# Altium PCB Ethernet2Mil_Adapter_Dual.PcbDoc (part 3 of 5)
Units mil, origin at the board's own origin, x right, y up, seen from the top; angles counter-clockwise.
Board outline 6000 x 4000 mil, 2 copper layers (Top Layer, Bottom Layer); 318 components, 359 nets, 3384 pads, 22 vias.
Unrouted connection lines stored in the file: 800.
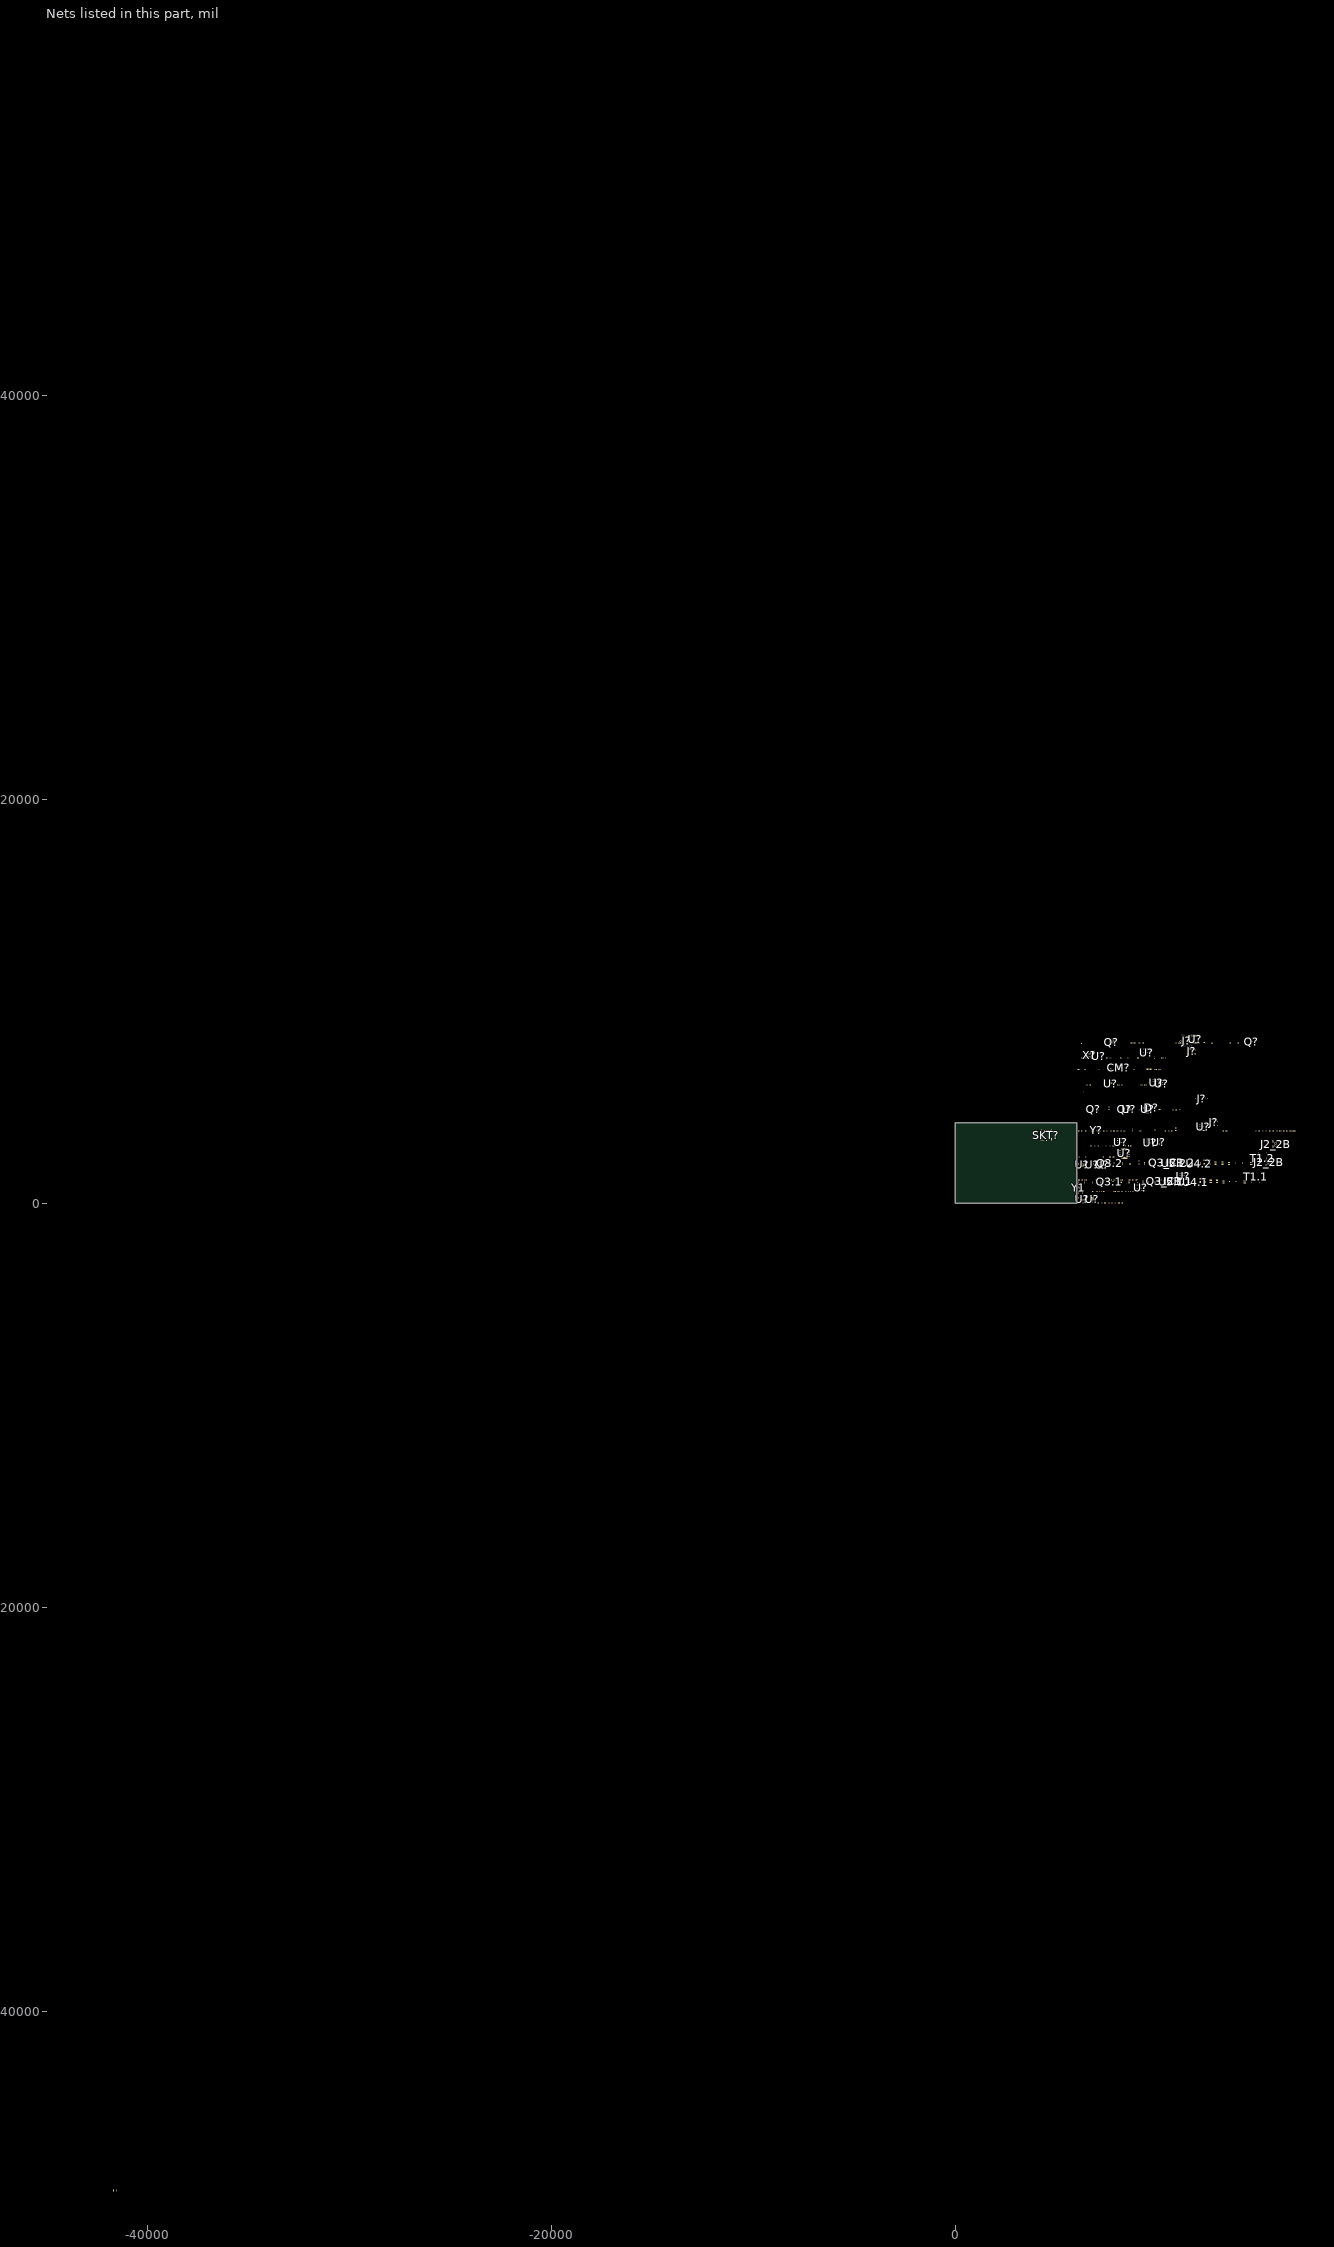
[diagram p3: the nets of this part, all layers, seen from the top]

## Via types
v1: diameter 19.68, hole 7.87, Top Layer to Bottom Layer, 12 vias
v2: diameter 23.62, hole 9.84, Top Layer to Bottom Layer, 9 vias
v3: diameter 177.17, hole 118.11, Top Layer to Bottom Layer, 1 vias

## Nets (pads, with @x,y where several pads share a name; then routed paths per layer and width w, separated by ;. In a path a pad name is that pad's centre, name@x,y a point inside that pad or via, vN(x,y) a via of type N, cw(c..) or ccw(c..) an arc to the next point about the centre after c; other vN are vias at no path point) (continued)
Eth_TXD_0: R?.1@6422.28,7195
Eth_TXD_1: R?.1@7727.28,20
Eth_TXD_2: R?.1@6252.28,2290
Eth_TXD_3: R?.1@7407.28,4610
Eth_TXD_PHY_0: R?.2@6457.72,7195 U?.18@10104.37,2939.53
Eth_TXD_PHY_1: R?.2@7762.72,20 U?.17@10088.62,2939.53
Eth_TXD_PHY_2: R?.2@6287.72,2290 U?.16@10072.87,2939.53
Eth_TXD_PHY_3: R?.2@7442.72,4610 U?.15@10057.13,2939.53
F_CFG_BVS_0: R?.1@7794.41,2845 U?.V11@9479.68,7307.52
F_JTAG_TCK_$1: D?.29 J?.4@12225,5190 R?.1@8160.39,7195
F_JTAG_TDI_$1: D?.56 J?.2@12025,5190 R?.1@8540.39,5850
F_JTAG_TDO_$1: D?.47 J?.3@12125,5190 R?.1@9130.39,3580
F_JTAG_TMS_$1: D?.110 J?.5@12325,5190 R?.1@11100.39,4640
F_VCCADC: C?.1@9182.44,5865 C?.2@8207.72,3580 L?.2@6838.31,3590 U?.C13@9792.2,6034.06
FTDI_OSCI: C?.1@7329.25,3585 U?.2@8136.56,2597.95 X?.1
FTDI_OSCO: C?.1@8224.25,585 U?.3@8136.56,2578.27 X?.3
GND: C31.2 C36.2 C43.2 C45.2 C59.1.1 C59.2.1 C60.1.1 C60.2.1 C61.1.1 C61.2.1 C64_2B.1 C?.1@6075.39,585 C?.1@6087.28,3585 C?.1@6242.44,3580 C?.1@6269.65,600 C?.1@6432.28,3585 C?.1@6960.39,1150 C?.1@7147.28,1150 C?.1@7294.65,6645 C?.1@7319.65,585 C?.1@7485.39,3580 C?.1@7486.54,1155 C?.1@7559.57,25 C?.1@7640.39,6645 C?.1@7657.44,3585 C?.1@7662.44,1155 C?.1@7802.44,7205 C?.1@7840.39,1150 C?.1@8000.39,3585 C?.1@8017.44,1150 C?.1@8034.41,585 C?.1@8172.28,3580 C?.1@8340.39,3585 C?.1@8400.39,585 C?.1@8425.12,2855 C?.1@8500.39,7195 C?.1@8582.44,1165 C?.1@8694.65,7205 C?.1@8860.39,7205 C?.1@9007.44,7195 C?.1@9080.39,7930 C?.1@9247.44,7930 C?.1@9267.44,1150 C?.1@9332.44,2845 C?.1@9459.92,1150 C?.1@9632.44,1150 C?.1@9879.57,6630 C?.1@9880,3637.44 C?.1@10047.44,7205 C?.1@10070.39,4645 C?.1@10193.58,7195 C?.1@10697.44,1150 C?.1@11044.57,7925 C?.1@12055.39,7925 C?.1@12264.41,7955 C?.1@12494.25,7955 C?.1@12659.57,7925 C?.1@13579.25,7940 C?.1@16555.39,3585 C?.1@16713.58,3585 C?.1@-43385,56707.28 C?.2@6142.56,1165 C?.2@6272.72,7195 C?.2@6292.72,1155 C?.2@6480.04,1155 C?.2@6522.56,5865 C?.2@6632.72,1150 C?.2@6667.72,600 C?.2@6697.72,5860 C?.2@6817.72,1150 C?.2@7040.04,600 C?.2@7188.64,3580 C?.2@7210.04,600 C?.2@7257.72,4635 C?.2@7360.75,3585 C?.2@7395.04,1165 C?.2@7732.72,600 C?.2@7822.72,4635 C?.2@7873.64,3580 C?.2@8255.75,585 C?.2@8257.72,5860 C?.2@8265.04,1150 C?.2@8387.72,7205 C?.2@8564.88,2855 C?.2@8645.04,585 C?.2@8682.72,2845 C?.2@8787.72,1155 C?.2@8957.72,1155 C?.2@9217.56,2855 C?.2@9237.56,5865 C?.2@9425.04,5860 C?.2@10212.56,1155 C?.2@10395.04,1150 C?.2@10557.72,1150 C?.2@10927.72,1150 C?.2@11612.72,1165 C?.2@11772.72,1150 C?.2@15577.72,3585 C?.2@15747.72,3585 C?.2@15923.64,3585 C?.2@16252.72,3580 C?.2@16437.56,3585 C?.2@-41499.37,-48850 D6.1.2 D6.2.2 D7.1.2 D7.2.2 D?.2@8858.74,7935 D?.38 D?.K@6144.69,2295 D?.K@9310,4724.69 IC1.1.3 IC1.2.3 J?.1@11925,5190 J?.10 J?.A1@12681.73,4144.41 J?.A12@12898.27,4144.41 J?.B1@12900.24,4096.77 J?.B12@12679.76,4096.77 J?.SH Q3.1.2 Q3.2.2 Q3_2B.5 Q?.2@6804.17,4617.6 Q?.2@14620.63,7972.6 R41_2B.1 R43.1.1 R43.2.1 R43_1B.2 R47.1.1 R47.2.1 R?.1@6069.41,6630 R?.1@6420.31,2290 R?.1@6710.31,7925 R?.1@7800.32,6640 R?.1@8069.41,25 R?.1@8362.28,5845 R?.1@8772.28,585 R?.1@9710.32,5850 R?.1@10172.28,7920 R?.1@10357.28,7920 R?.1@10525.32,3580 R?.1@10695.32,3580 R?.1@10900,3605.94 R?.1@11047.28,3575 R?.1@13389.41,3580 R?.1@13748.27,3575 R?.2@9539.69,3575 R?.2@10900,3724.06 SKT?.6 SKT?.11 SKT?.12 SKT?.13 SKT?.14 U4.1.2 U4.1.4 U4.2.2 U4.2.4 U5.1.6 U5.1.13 U5.2.6 U5.2.13 U?.1@8136.56,2617.64 U?.2@6231.85,1914.84 U?.2@7685.16,5871.85 U?.2@8546.85,4679.84 U?.3@6231.85,1895.16 U?.3@6692.29,1892.2 U?.3@7704.84,5871.85 U?.3@8546.85,4660.16 U?.5@7192.52,7205 U?.5@8136.56,2538.9 U?.9@12050,8306.3 U?.10@8136.56,2440.47 U?.11@8136.56,2420.79 U?.13@8136.56,2381.42 U?.15@8136.56,2342.05 U?.15@11750,8306.3 U?.19@6824.21,286.77 U?.22@6765.16,286.77 U?.25@6775,210 U?.25@8369.84,2246.56 U?.35@8583.44,2361.73 U?.41@10065,3035 U?.47 U?.51 U?.A1@8007.83,3212.17 U?.A3@8047.2,3212.17 U?.A4@9526.89,3187.17 U?.A5@8086.57,3212.17 U?.A6@9566.26,3187.17 U?.A7@8125.94,3212.17 U?.A9@8165.31,3212.17 U?.A11@9479.68,7642.17 U?.A12@9499.37,7642.17 U?.A13@9519.06,7642.17 U?.A19@8362.17,3212.17 U?.B1@7087.83,2062.48 U?.B3@8047.2,3192.48 U?.B4@9526.89,3167.48 U?.B5@8086.57,3192.48 U?.B6@9566.26,3167.48 U?.B7@8125.94,3192.48 U?.B9@8165.31,3192.48 U?.B11@9479.68,7622.48 U?.B12@9499.37,7622.48 U?.B13@9519.06,7622.48 U?.B14@8263.74,3192.48 U?.C1@7087.83,2042.8 U?.C2@8027.52,3172.8 U?.C3@8047.2,3172.8 U?.C4@8066.89,3172.8 U?.C5@7166.57,2042.8 U?.C6@8106.26,3172.8 U?.C7@9585.94,3147.8 U?.C10@8185,3172.8 U?.C12@8224.37,3172.8 U?.C19@8362.17,3172.8 U?.D1@6211.18,224.76 U?.D3@8047.2,3153.11 U?.E1@7087.83,2003.43 U?.E2@7107.52,2003.43 U?.E3@8047.2,3133.43 U?.E6 U?.E17@8322.8,3133.43 U?.F1@8007.83,3113.74 U?.F2@8027.52,3113.74 U?.F3@7127.2,1983.74 U?.F19@8362.17,3113.74 U?.G1@8007.83,3094.06 U?.G7@7205.94,1964.06 U?.G8@8145.63,3094.06 U?.G9@7245.31,1964.06 U?.G11@8204.68,3094.06 U?.H7@8125.94,3074.37 U?.H8@8145.63,3074.37 U?.H9@7245.31,1944.37 U?.H11@8204.68,3074.37 U?.H12@8224.37,3074.37 U?.H18@8342.48,3074.37 U?.J8@8145.63,3054.69 U?.J9@8165.31,3054.69 U?.J11@8204.68,3054.69 U?.J12@8224.37,3054.69 U?.K8@8145.63,3035 U?.L8@8145.63,3015.32 U?.L9@8165.31,3015.32 U?.L11@8204.68,3015.32 U?.L19@8362.17,3015.32 U?.M9@8165.31,2995.63 U?.M13@8244.06,2995.63 U?.N9@8165.31,2975.94 U?.N12@8224.37,2975.94 U?.N13@8244.06,2975.94 U?.P2@8027.52,2956.26 U?.T19@8362.17,2916.89 U?.U6@8106.26,2897.2 U?.U9@8165.31,2897.2 U?.V18@8342.48,2877.52 U?.W1@8007.83,2857.83 U?.W12@8224.37,2857.83 X?.2 X?.4 Y1.2 Y?.2
  other v1: 10675.32,1035.63 10714.69,1035.63 10675.32,1075 10714.69,1075 10675.32,1114.37 10714.69,1114.37 10795.32,1945.63 10834.69,1945.63 10795.32,1985 10834.69,1985 10795.32,2024.37 10834.69,2024.37
  other v2: 10021.69,2991.69 10065,2991.69 10108.31,2991.69 10021.69,3035 10065,3035 10108.31,3035 10021.69,3078.31 10065,3078.31 10108.31,3078.31
MIL_1553_1A_RX: R53.2 U?.R3@9387.2,4551.57
MIL_1553_1A_TX_N: R?.1@9320.24,3575 U?.T2@9367.52,4531.89
MIL_1553_1A_TX_P: R?.1@9535.24,5845 U?.R2@9367.52,4551.57
MIL_1553_1B_RX: R?.2@8949.76,7920 U?.V2@9367.52,4492.52
MIL_1553_1B_TX_N: R?.1@7990.24,7200 U?.U1@9347.83,4512.2
MIL_1553_1B_TX_P: R?.1@13935.24,3575 U?.T1@9347.83,4531.89
MIL_1553_2A_TX_P: U?.U3@9387.2,4512.2
MIL_1553_3.3V: C61.1.2 C61.2.2 R39_1B.2 U4.1.5 U4.2.5 U5.1.5 U5.2.5
NetC?_2: C?.2@12315.59,7955 U?.24@6725.79,286.77
NetD8.1_1: D8.1.1 R41.1.2
NetD8.2_1: D8.2.1 R41.2.2
NetD9.1_1: D9.1.1 R38_1B.2@7795,1084.53
NetD9.2_1: D9.2.1 R38_1B.2@7855,1994.53
NetD?_A: D?.A@9310,4685.31 R?.1@6687.28,2845
NetD?_K: D?.K@14009.69,7940 R?.2@7892.72,5845
NetDS?_2: DS?.2 R?.1@7615.47,2290
NetJ2_2B_3: J2_2B.3@15711,2808
NetJ2_2B_4: J2_2B.4@15711,3066
NetJ2_2B_5: J2_2B.5@15969,2808
NetJ2_2B_6: J2_2B.6@15629,2156
NetJ?_1: J?.1@11680.2,7785
NetJ?_A2: J?.A2@11591.42,7644.41
NetJ?_A3: J?.A3@11611.1,7644.41
NetJ?_A5: J?.A5@11650.47,7644.41 R?.2@7197.72,5850
NetJ?_A8: J?.A8@11709.53,7644.41
NetJ?_A10: J?.A10@11748.9,7644.41
NetJ?_A11: J?.A11@11768.58,7644.41
NetJ?_B2: J?.B2@11774.49,7569.21
NetJ?_B3: J?.B3@11742.99,7569.21
NetJ?_B5: J?.B5@11711.5,7569.21 R?.2@10047.72,3575
NetJ?_B8: J?.B8@11648.5,7569.21
NetJ?_B10: J?.B10@11617.01,7569.21
NetJ?_B11: J?.B11@11585.51,7569.21
NetM?_1: 
NetQ?_3: Q?.3@6875.83,4655 R?.2@7674.53,2290
NetR?_1: R?.1@9500.32,3575 U?.1@6698.23,259.21
NetR?_2: R?.2@8589.61,5850 U?.16@8136.56,2322.36
NetT1.1_4: T1.1.4
NetT1.2_4: T1.2.4
NetTP?_1: TP?.1@7055,7950
NetU5.1_4: U5.1.4
NetU5.1_8: U5.1.8
NetU5.1_9: U5.1.9
NetU5.2_4: U5.2.4
NetU5.2_8: U5.2.8
NetU5.2_9: U5.2.9
NetU?_2: U?.2@6692.29,1917.8
NetU?_4: U?.4@6692.29,1866.61
NetU?_5: U?.5@6857.71,1866.61
NetU?_6: U?.6@7192.52,7255
NetU?_7: U?.7@7192.52,7305
NetU?_8: U?.8@8136.56,2479.84
NetU?_20: U?.20@6804.53,286.77
NetU?_21: U?.21@8291.1,2246.56
NetU?_22: U?.22@8310.79,2246.56
NetU?_23: U?.23@8330.47,2246.56
NetU?_24: U?.24@8350.16,2246.56
NetU?_26: U?.26@8389.53,2246.56
NetU?_27: U?.27@8409.21,2246.56
NetU?_28: U?.28@8428.9,2246.56
NetU?_29: U?.29@8448.58,2246.56
NetU?_30: U?.30@8468.27,2246.56
NetU?_32: U?.32@8507.64,2246.56
NetU?_33: U?.33@8583.44,2322.36
NetU?_34: U?.34@8583.44,2342.05
NetU?_36: U?.36@8583.44,2381.42
NetU?_38: U?.38@8583.44,2420.79
NetU?_39: U?.39@8583.44,2440.47
NetU?_40: U?.40@8583.44,2460.16
NetU?_41: U?.41@8583.44,2479.84
NetU?_43: U?.43
NetU?_44: U?.44
NetU?_45: U?.45
NetU?_46: U?.46
NetU?_48: U?.48
NetU?_52: U?.52
NetU?_53: U?.53
NetU?_54: U?.54
NetU?_55: U?.55
NetU?_57: U?.57
NetU?_58: U?.58
NetU?_59: U?.59
NetU?_60: U?.60
NetU?_A2: U?.A2@9487.52,3187.17
NetU?_A3: U?.A3@6270.24,313.35
NetU?_A8: U?.A8@9605.63,3187.17
NetU?_A10: U?.A10@9645,3187.17
NetU?_A14: U?.A14@11353.74,1517.17
NetU?_A15: U?.A15@11373.43,1517.17
NetU?_A18: U?.A18@11432.48,1517.17
NetU?_B2: U?.B2@9487.52,3167.48
NetU?_B8: U?.B8@9605.63,3167.48
NetU?_B10: U?.B10@9645,3167.48
NetU?_B18: U?.B18@11432.48,1497.48
NetU?_C3: U?.C3@6270.24,254.29
NetU?_C8: U?.C8@9420.63,7602.8
NetU?_D1: U?.D1@9467.83,3128.11
NetU?_D2: U?.D2@9487.52,3128.11
NetU?_D17: U?.D17@9297.8,893.11
NetU?_D18: U?.D18@9317.48,893.11
NetU?_G2: U?.G2@12195.94,3627.52
NetU?_G3: U?.G3@12195.94,3647.2
NetU?_G17: U?.G17@9297.8,834.06
NetU?_H1: U?.H1@12215.63,3607.83
NetU?_H2: U?.H2@12215.63,3627.52
NetU?_H17: U?.H17@9297.8,814.37
NetU?_J1: U?.J1@12235.31,3607.83
NetU?_J2: U?.J2@12235.31,3627.52
NetU?_J3: U?.J3@12235.31,3647.2
NetU?_J17: U?.J17@9297.8,794.69
NetU?_K2: U?.K2@12255,3627.52
NetU?_K3: U?.K3@12255,3647.2
NetU?_K17: U?.K17@9297.8,775
NetU?_L1: U?.L1@12274.68,3607.83
NetU?_L2: U?.L2@12274.68,3627.52
NetU?_L3: U?.L3@12274.68,3647.2
NetU?_M1: U?.M1@12294.37,3607.83
NetU?_M2: U?.M2@12294.37,3627.52
NetU?_M3: U?.M3@12294.37,3647.2
NetU?_M19: U?.M19@9337.17,735.63
NetU?_N1: U?.N1@12314.06,3607.83
NetU?_N2: U?.N2@12314.06,3627.52
NetU?_N3: U?.N3@12314.06,3647.2
NetU?_N17: U?.N17@9297.8,715.94
NetU?_P1: U?.P1@12333.74,3607.83
NetU?_P3: U?.P3@12333.74,3647.2
NetU?_P17: U?.P17@9297.8,696.26
NetU?_P18: U?.P18@9317.48,696.26
NetU?_T3: U?.T3@9387.2,4531.89
NetU?_U2: U?.U2@9367.52,4512.2
NetU?_U4: U?.U4@9406.89,4512.2
NetU?_U5: U?.U5@9426.57,4512.2
NetU?_U7: U?.U7@9465.94,4512.2
NetU?_U8: U?.U8@9485.63,4512.2
NetU?_U14: U?.U14@9238.74,637.2
NetU?_U15: U?.U15@9258.43,637.2
NetU?_U16: U?.U16@9278.11,637.2
NetU?_V3: U?.V3@9387.2,4492.52
NetU?_V4: U?.V4@9406.89,4492.52
NetU?_V5: U?.V5@9426.57,4492.52
NetU?_V8: U?.V8@9485.63,4492.52
NetU?_V13: U?.V13@9219.06,617.52
NetU?_V14: U?.V14@9238.74,617.52
NetU?_V16: U?.V16@9278.11,617.52
NetU?_V17: U?.V17@9297.8,617.52
NetU?_W2: U?.W2@9367.52,4472.83
NetU?_W4: U?.W4@9406.89,4472.83
NetU?_W5: U?.W5@9426.57,4472.83
NetU?_W6: U?.W6@9446.26,4472.83
NetU?_W7: U?.W7@9465.94,4472.83
NetU?_W8: U?.W8@9420.63,7287.83
NetU?_W9: U?.W9@9440.31,7287.83
NetU?_W10: U?.W10@9460,7287.83
NetU?_W13: U?.W13@9219.06,597.83
NetU?_W14: U?.W14@9238.74,597.83
PGM_B_0: U?.V10@9460,7307.52
PGM_DONE: R?.1@6807.28,5845 R?.2@6722.72,2845 U?.U12@9499.37,7327.2
PGM_INIT: R?.1@7379.41,20
PGM_INIT_n: R?.1@10064.41,6625 U?.U11@9479.68,7327.2
PGM_MODE_0: R11.1 R?.2@13440.59,3580 U?.V12@9499.37,7307.52
PGM_MODE_1: R?.1@7789.41,2290 R?.2@6120.59,6630 U?.W11@9479.68,7287.83
PGM_MODE_2: R13.1 R?.2@8120.59,25 U?.U10@9460,7327.2
PWR_1.0_EN: U?.8@6857.71,1943.39 U?.9@8574.41,4723.15
PWR_1.0V_FB: R?.1@9982.28,7920 R?.2@10207.72,7920 R?.2@10392.72,7920 R?.2@11169.76,7205 U?.4@7730.37,5866.38 U?.4@8541.38,4634.63
PWR_1.0V_GOOD: R?.1@14670.32,3575 U?.7@8635.43,4670
PWR_1.0V_SW: U?.8@8629.53,4712.81
PWR_1.8_EN: U?.7@6857.71,1917.8 U?.9@7641.85,5899.41
PWR_1.8V_GOOD: R?.1@14115.32,3575 U?.7@7695,5960.43
PWR_1.8V_SW: U?.8@7652.18,5954.53
PWR_3.3_EN: U?.6@6857.71,1892.2 U?.9@6259.41,1958.15
PWR_3.3V_FB: R?.1@13382.28,7925 R?.2@11082.72,3575 U?.4@6226.38,1869.63
PWR_3.3V_GOOD: Q?.1@6804.17,4692.4 R?.1@15020.32,3580 U?.7@6320.43,1905
PWR_3.3V_SW: U?.8@6314.53,1947.82
RX_EN_b.1: R43_1B.1@6395,1009.41 U5.1.2
RX_EN_b.2: R43_1B.1@6415,1919.41 U5.2.2
RX_IN.1_N: D7.1.1 R40.1.1 U5.1.10
RX_IN.1_P: D6.1.1 R32_2B.1@13890,1025.47 U5.1.11
RX_IN.2_N: D7.2.1 R40.2.1 U5.2.10
RX_IN.2_P: D6.2.1 R32_2B.1@14210,1935.47 U5.2.11
RX_OUT.1: R53.1 U5.1.1
RX_OUT.2: R?.1@8920.24,7920 U5.2.1
SDC_CDA: R?.1@7022.28,4625 SKT?.9 U?.C15@11373.43,1477.8
SDC_CDB: R?.1@8832.28,2855 SKT?.10 U?.B15@11373.43,1497.48
SDC_CLK: R?.1@9437.28,7925 SKT?.5 U?.A16@11393.11,1517.17
SDC_CMD: R?.1@6077.28,7925 SKT?.3 U?.A17@11412.8,1517.17
SDC_DAT0: R?.1@7477.28,7200 SKT?.7 U?.C16@11393.11,1477.8
SDC_DAT1: R?.1@6587.28,4605 SKT?.8 U?.B16@11393.11,1497.48
SDC_DAT2: R?.1@8237.28,20 SKT?.1 U?.C17@11412.8,1477.8
SDC_DAT3: SKT?.2 U?.B17@11412.8,1497.48
SGND: C?.1@7841.54,585 C?.1@10904.92,7935 C?.1@-41670.63,-48850 D?.2@9658.74,6640 J?.A1@11571.73,7644.41 J?.A12@11788.27,7644.41 J?.B1@11790.24,7596.77 J?.B12@11569.76,7596.77 R?.1@7162.28,5850 R?.1@10012.28,3575 U?.2@11750,7953.7 U?.8@12050,7953.7
SHEILD: J?.MH3@12952.6,4073.54 J?.MH4@12627.4,4073.54 J?.MH5@12613.23,3900.31 J?.MH6@12966.77,3900.31
SIG_1553_BOTTOM.1: Q3_2B.6@10297.6,1141.09 R40.1.2 T1.1.1
SIG_1553_BOTTOM.2: Q3_2B.6@10417.6,2051.09 R40.2.2 T1.2.1
SIG_1553_TOP.1: Q3.1.4 R32_2B.2@13890,1084.53 T1.1.5
SIG_1553_TOP.2: Q3.2.4 R32_2B.2@14210,1994.53 T1.2.5
SLOW_MODE_ENABLE.1_n: R39_1B.1@8585,1009.41 U5.1.7
SLOW_MODE_ENABLE.2_n: R39_1B.1@8645,1919.41 U5.2.7
SRAM-A0: U?.A1@6211.18,313.35 U?.P19@9337.17,696.26
SRAM-A1: U?.A2@6240.71,313.35 U?.N19@9337.17,715.94
SRAM-A2: U?.B2@6240.71,283.82 U?.R19@9337.17,676.57
SRAM-A3: U?.A4@6299.76,313.35 U?.E19@9337.17,873.43
SRAM-A4: U?.B4@6299.76,283.82 U?.D19@9337.17,893.11
SRAM-A5: U?.C4@6299.76,254.29 U?.J19@9337.17,794.69
SRAM-A6: U?.A5@6329.29,313.35 U?.F18@9317.48,853.74
SRAM-A7: U?.B5@6329.29,283.82 U?.G18@9317.48,834.06
SRAM-A8: U?.A6@6358.82,313.35 U?.E18@9317.48,873.43
SRAM-A9: U?.H1@6211.18,106.65 U?.R18@9317.48,676.57
SRAM-A10: U?.H2@6240.71,106.65 U?.U19@9337.17,637.2
SRAM-A11: U?.H3@6270.24,106.65 U?.V19@9337.17,617.52
SRAM-A12: U?.H4 U?.W19@9337.17,597.83
SRAM-A13: U?.H5 U?.W18@9317.48,597.83
SRAM-A14: U?.H6 U?.W17@9297.8,597.83
SRAM-A15: U?.G5 U?.U17@9297.8,637.2
SRAM-A16: U?.G4 U?.U18@9317.48,637.2
SRAM-A17: U?.F4 U?.T18@9317.48,656.89
SRAM-A18: U?.F3@6270.24,165.71 U?.K19@9337.17,775
SRAM-CE_n: U?.G3@6270.24,136.18 U?.N18@9317.48,715.94
SRAM-DQ0: U?.B6@6358.82,283.82 U?.W16@9278.11,597.83
SRAM-DQ1: U?.C6@6358.82,254.29 U?.G19@9337.17,834.06
SRAM-DQ2: U?.F6 U?.V15@9258.43,617.52
SRAM-DQ3: U?.G6 U?.W15@9258.43,597.83
SRAM-DQ4: U?.B1@6211.18,283.82 U?.K18@9317.48,775
SRAM-DQ5: U?.C1@6211.18,254.29 U?.J18@9317.48,794.69
SRAM-DQ6: U?.F1@6211.18,165.71 U?.L18@9317.48,755.32
SRAM-DQ7: U?.G1@6211.18,136.18 U?.T17@9297.8,656.89
SRAM-OE_n: U?.G2@6240.71,136.18 U?.M18@9317.48,735.63
SRAM-WE_n: U?.B3@6270.24,283.82 U?.H19@9337.17,814.37
SWD_CLK: TP?.1@7865,7950
SWD_IO_INT: R?.2@10952.72,4625 TP?.1@6240,7915 U?.7@6725.79,133.23
TRAN_BOT.1: R39.1.1 T1.1.2
TRAN_BOT.2: R39.2.1 T1.2.2
TRAN_TOP.1: R37.1.1 T1.1.6
TRAN_TOP.2: R37.2.1 T1.2.6
TRIAX_CENTER.1: J2_2B.1@15500,2048 R37.1.2
TRIAX_CENTER.2: J2_2B.1@15840,2958 R37.2.2
TRIAX_INTER.1: J2_2B.2@15500,1948 R39.1.2
TRIAX_INTER.2: J2_2B.2@15840,2858 R39.2.2
TX_EN.1: R47.1.2 U5.1.3
TX_EN.2: R47.2.2 U5.2.3
TX_OUT.1_N: IC1.1.4 R?.2@9349.76,3575
TX_OUT.1_P: IC1.1.2 R?.2@9564.76,5845
TX_OUT.2_N: IC1.2.4 R?.2@8019.76,7200
TX_OUT.2_P: IC1.2.2 R?.2@13964.76,3575
TX_OUT_DRIVE.1_N: IC1.1.5 R38_1B.1@7795,1025.47 R46.1.1
TX_OUT_DRIVE.1_P: IC1.1.7 R36_2B.1@9875,1004.41 R41.1.1
TX_OUT_DRIVE.2_N: IC1.2.5 R38_1B.1@7855,1935.47 R46.2.1
TX_OUT_DRIVE.2_P: IC1.2.7 R36_2B.1@9995,1914.41 R41.2.1
TX_OUT_GATE.1_N: D9.1.2 Q3.1.3 R41_2B.2@6795,1060.59 R46.1.2
TX_OUT_GATE.1_P: D8.1.2 Q3_2B.1@10297.6,1048.91 R36_2B.2@9875,1055.59 R43.1.2
TX_OUT_GATE.2_N: D9.2.2 Q3.2.3 R41_2B.2@6815,1970.59 R46.2.2
TX_OUT_GATE.2_P: D8.2.2 Q3_2B.1@10417.6,1958.91 R36_2B.2@9995,1965.59 R43.2.2
USB_1.8V: C?.2@7350.35,585 C?.2@9687.56,1150 U?.12@8136.56,2401.1 U?.37@8583.44,2401.1 U?.49 U?.64
USB_3.3V: C?.2@7712.56,3585 FB?.1@8520,3617.44 FB?.1@10405,7197.44 R?.2@7329.69,2290 R?.2@8004.69,4610 R?.2@9044.69,5845 R?.2@10394.69,3580 U?.20@8271.42,2246.56 U?.31@8487.95,2246.56 U?.42 U?.50 U?.56
USB_D_D1_N: R?.1@11975.1,3575 U?.11@11950,8306.3
USB_D_D1_P: R?.1@7525.1,7925 U?.10@12000,8306.3
USB_DI_3.3: C?.2@7908.46,585 U?.3@11800,7953.7 U?.4@11850,7953.7 U?.5@11900,7953.7
USB_DI_D_1_N: CM?.1 J?.A6@11670.16,7644.41 J?.B6@11695.75,7596.77 R?.1@13745.32,7920
USB_DI_D_1_P: CM?.4 J?.A7@11689.84,7644.41 J?.B7@11664.25,7596.77 R?.1@8960.32,3575
USB_DI_D_2_N: CM?.2 R?.1@7125.1,2290 R?.2@13784.69,7920
USB_DI_D_2_P: CM?.3 R?.1@12855.1,7920 R?.2@8999.69,3575
USB_DI_D_3_N: R?.2@7154.9,2290 U?.6@11950,7953.7
USB_DI_D_3_P: R?.2@12884.9,7920 U?.7@12000,7953.7
USB_DI_MH: J?.MH3@11842.6,7573.54 J?.MH4@11517.4,7573.54 J?.MH5@11503.23,7400.32 J?.MH6@11856.77,7400.32
USB_DI_VBUS: C?.2@10945.08,7935 D?.1@9501.26,6640 J?.A4@11630.79,7644.41 J?.A9@11729.21,7644.41 J?.B4@11727.24,7596.77 J?.B9@11632.76,7596.77 R?.2@14522.72,3575 U?.1@11700,7953.7
USB_JTAG_VPHY: C?.2@7325.35,6645 C?.2@7857.56,7205 FB?.2@8520,3672.56 U?.4@8136.56,2558.58
USB_JTAG_VPLL: C?.2@6300.35,600 C?.2@9302.56,7930 FB?.2@10405,7252.56 U?.9@8136.56,2460.16
USB_PNP_G: D?.2@7605,4769.37 Q?.2@7636.85,7990 Q?.4@8291.85,4580 R?.1@7047.28,20 R?.2@9709.69,3575
USB_PNP_S: D?.1@7605,4640.63 Q?.1@7636.85,8040 Q?.3@8291.85,4630 R?.2@7082.72,20
USB_PWR_FETS_G: C?.1@8026.54,5865 C?.1@16036.54,3585 R?.1@9670.32,3575 R?.1@13025.32,7925 R?.2@10772.72,4625
USB_RST_n: R?.1@9005.32,5845 U?.14@8136.56,2361.73
USBD_3.3V: C?.2@7553.46,1155 U?.12@11900,8306.3 U?.13@11850,8306.3 U?.14@11800,8306.3 U?.16@11700,8306.3
USBP_3.3V_VDDD: C?.2@8085.59,585 C?.2@10266.42,7195 C?.2@16786.42,3585 R?.1@6405.31,6630 R?.1@7972.28,2280 R?.1@8335.32,7925 R?.1@10917.28,4625 R?.1@11602.28,3575 R?.1@13227.28,3580 R?.2@6918.7,7925 TP?.1@8505,7950 U?.23@6745.47,286.77
USBP_CC1: C?.2@12525.75,7955 J?.B5@12821.5,4069.21 U?.15@6851.77,200.16
USBP_CC2: C?.2@13610.75,7940 J?.A5@12760.47,4144.41 U?.14@6851.77,180.47
USBP_D_N: J?.A7@12799.84,4144.41 J?.B7@12774.25,4096.77 U?.17@6851.77,239.53
USBP_D_P: J?.A6@12780.16,4144.41 J?.B6@12805.75,4096.77 U?.16@6851.77,219.84
USBP_FAULT: Q?.1@14620.63,8047.4 R?.2@9749.69,5850 U?.9@6765.16,133.23
USBP_FLIP: R?.1@6881.3,7925 R?.2@11637.72,3575 TP?.1@6480,7950 U?.10@6784.84,133.23
USBP_HPI_SCL: R?.2@8007.72,2280 TP?.1@8100,7950 U?.13@6851.77,160.79
USBP_HPI_SDA: R?.2@13262.72,3580 TP?.1@7290,7950 U?.12@6824.21,133.23
USBP_VBUS: C?.2@9500.08,1150 C?.2@12730.04,7925 C?.2@16103.46,3585 D?.1@8701.26,7935 D?.A@13970.32,7940 J?.A4@12740.79,4144.41 J?.A9@12839.21,4144.41 J?.B4@12837.24,4096.77 J?.B9@12742.76,4096.77 Q?.7@7823.15,7990 Q?.8@7823.15,8040 R?.2@7092.72,2845 R?.2@13064.69,7925 U?.18@6851.77,259.21
VCC1.8: C?.2@7689.61,6645 C?.2@8637.56,1165 FB?.1@8750,3593.82
VCC3.3: C?.2@9387.56,2845 C?.2@9880,3692.56 C?.2@10119.61,4645 C?.2@16604.61,3585 FB?.1@9835,7173.82 U?.11@9994.13,2939.53 U?.29@10160.47,3090.12 U?.40@9994.13,3130.47
VCC_1.8V: C?.1@6969.57,600 C?.1@7324.57,1165 C?.1@7826.36,3580 C?.1@15542.28,3585 C?.2@-43385,56742.72 L?.1@6751.69,3590 R?.1@11140.24,7205 R?.2@6632.72,3575 R?.2@14154.69,3575 U?.5@7748.15,5899.41 U?.6@7737.82,5954.53 U?.H13@9890.63,6034.06 U?.J13@9910.31,6034.06
VCC_1V: C?.1@6632.28,600 C?.1@6774.57,585 C?.1@8194.57,1150 C?.1@8647.28,2845 C?.1@8752.28,1155 C?.1@10522.28,1150 C?.1@15712.28,3585 C?.1@15876.36,3585 C?.2@6467.72,3585 R?.2@10017.72,7920 R?.2@14709.69,3575 U?.5@8574.41,4616.85 U?.6@8629.53,4627.19 U?.G10@9870.94,5975 U?.H10@9890.63,5975 U?.J10@9910.31,5975 U?.L10@9949.68,5975 U?.M10@9969.37,5975 U?.M11@9969.37,5994.69 U?.N10@9989.06,5975 U?.N11@9989.06,5994.69
VCC_3.3V: C31.1 C36.1 C43.1 C45.1 C?.1@6087.44,1165 C?.1@6237.28,7195 C?.1@6257.28,1155 C?.1@6409.57,1155 C?.1@6467.44,5865 C?.1@6597.28,1150 C?.1@6662.28,5860 C?.1@6782.28,1150 C?.1@7139.57,600 C?.1@7141.36,3580 C?.1@7222.28,4635 C?.1@7697.28,600 C?.1@7787.28,4635 C?.1@8222.28,5860 C?.1@8352.28,7205 C?.1@8574.57,585 C?.1@8922.28,1155 C?.1@9162.44,2855 C?.1@9354.57,5860 C?.1@10157.44,1155 C?.1@10324.57,1150 C?.1@10892.28,1150 C?.1@11577.28,1165 C?.1@11737.28,1150 C?.1@16217.28,3580 C?.1@16382.44,3585 C?.2@6122.72,3585 C?.2@7182.72,1150 C?.2@7717.56,1155 C?.2@9062.56,7195 C?.2@10102.56,7205 C?.2@10752.56,1150 J?.6@12425,5190 R11.2 R13.2 R?.1@10540.32,4640 R?.2@6112.72,7925 R?.2@6622.72,4605 R?.2@6842.72,5845 R?.2@7057.72,4625 R?.2@7430.59,20 R?.2@7512.72,7200 R?.2@7840.59,2290 R?.2@7845.59,2845 R?.2@8272.72,20 R?.2@8867.72,2855 R?.2@9472.72,7925 R?.2@10115.59,6625 R?.2@13417.72,7925 R?.2@15059.69,3580 SKT?.4 U?.5@6259.41,1851.85 U?.6@6314.53,1862.18 U?.B19@10052.52,6102.17 U?.C14@10072.2,6003.74 U?.C18@10072.2,6082.48 U?.D6 U?.E1@6211.18,195.24 U?.F17@10131.26,6062.8 U?.G12@10150.94,5964.37 U?.G13@10150.94,5984.06 U?.H3@10170.63,5787.2 U?.J7@10190.31,5865.94 U?.K1@10210,5747.83 U?.K7@10210,5865.94 U?.K12@10210,5964.37 U?.K13@10210,5984.06 U?.L7@10229.68,5865.94 U?.L12@10229.68,5964.37 U?.L13@10229.68,5984.06 U?.M7@10249.37,5865.94 U?.M8@10249.37,5885.63 U?.M12@10249.37,5964.37 U?.M17@10249.37,6062.8 U?.N7@10269.06,5865.94 U?.N8@10269.06,5885.63 U?.R1@10308.43,5747.83 U?.R17@10308.43,6062.8 U?.U13@10347.8,5984.06 U?.V1@10367.48,5747.83 U?.V6@10367.48,5846.26 U?.V9@10367.48,5905.31 Y1.1 Y1.4
VCC_5V: C59.1.2 C59.2.2 C60.1.2 C60.2.2 C?.2@7630.04,25 C?.2@8093.46,5865 C?.2@9950.04,6630 C?.2@11115.04,7925 DS?.1 IC1.1.1 IC1.1.6 IC1.1.8 IC1.2.1 IC1.2.6 IC1.2.8 Q?.5@8478.15,4580 Q?.6@8478.15,4630 T1.1.3 T1.2.3 U4.1.1 U4.1.3 U4.2.1 U4.2.3 U?.1@6236.34,1940.86 U?.1@6692.29,1943.39 U?.1@7659.14,5876.34 U?.1@8551.34,4705.86 U?.11@6804.53,133.23
VCCBATT_0: R?.1@6597.28,3575 U?.C9@9792.2,5955.31